# KiCad board Mainboard Small.kicad_pcb (continued)
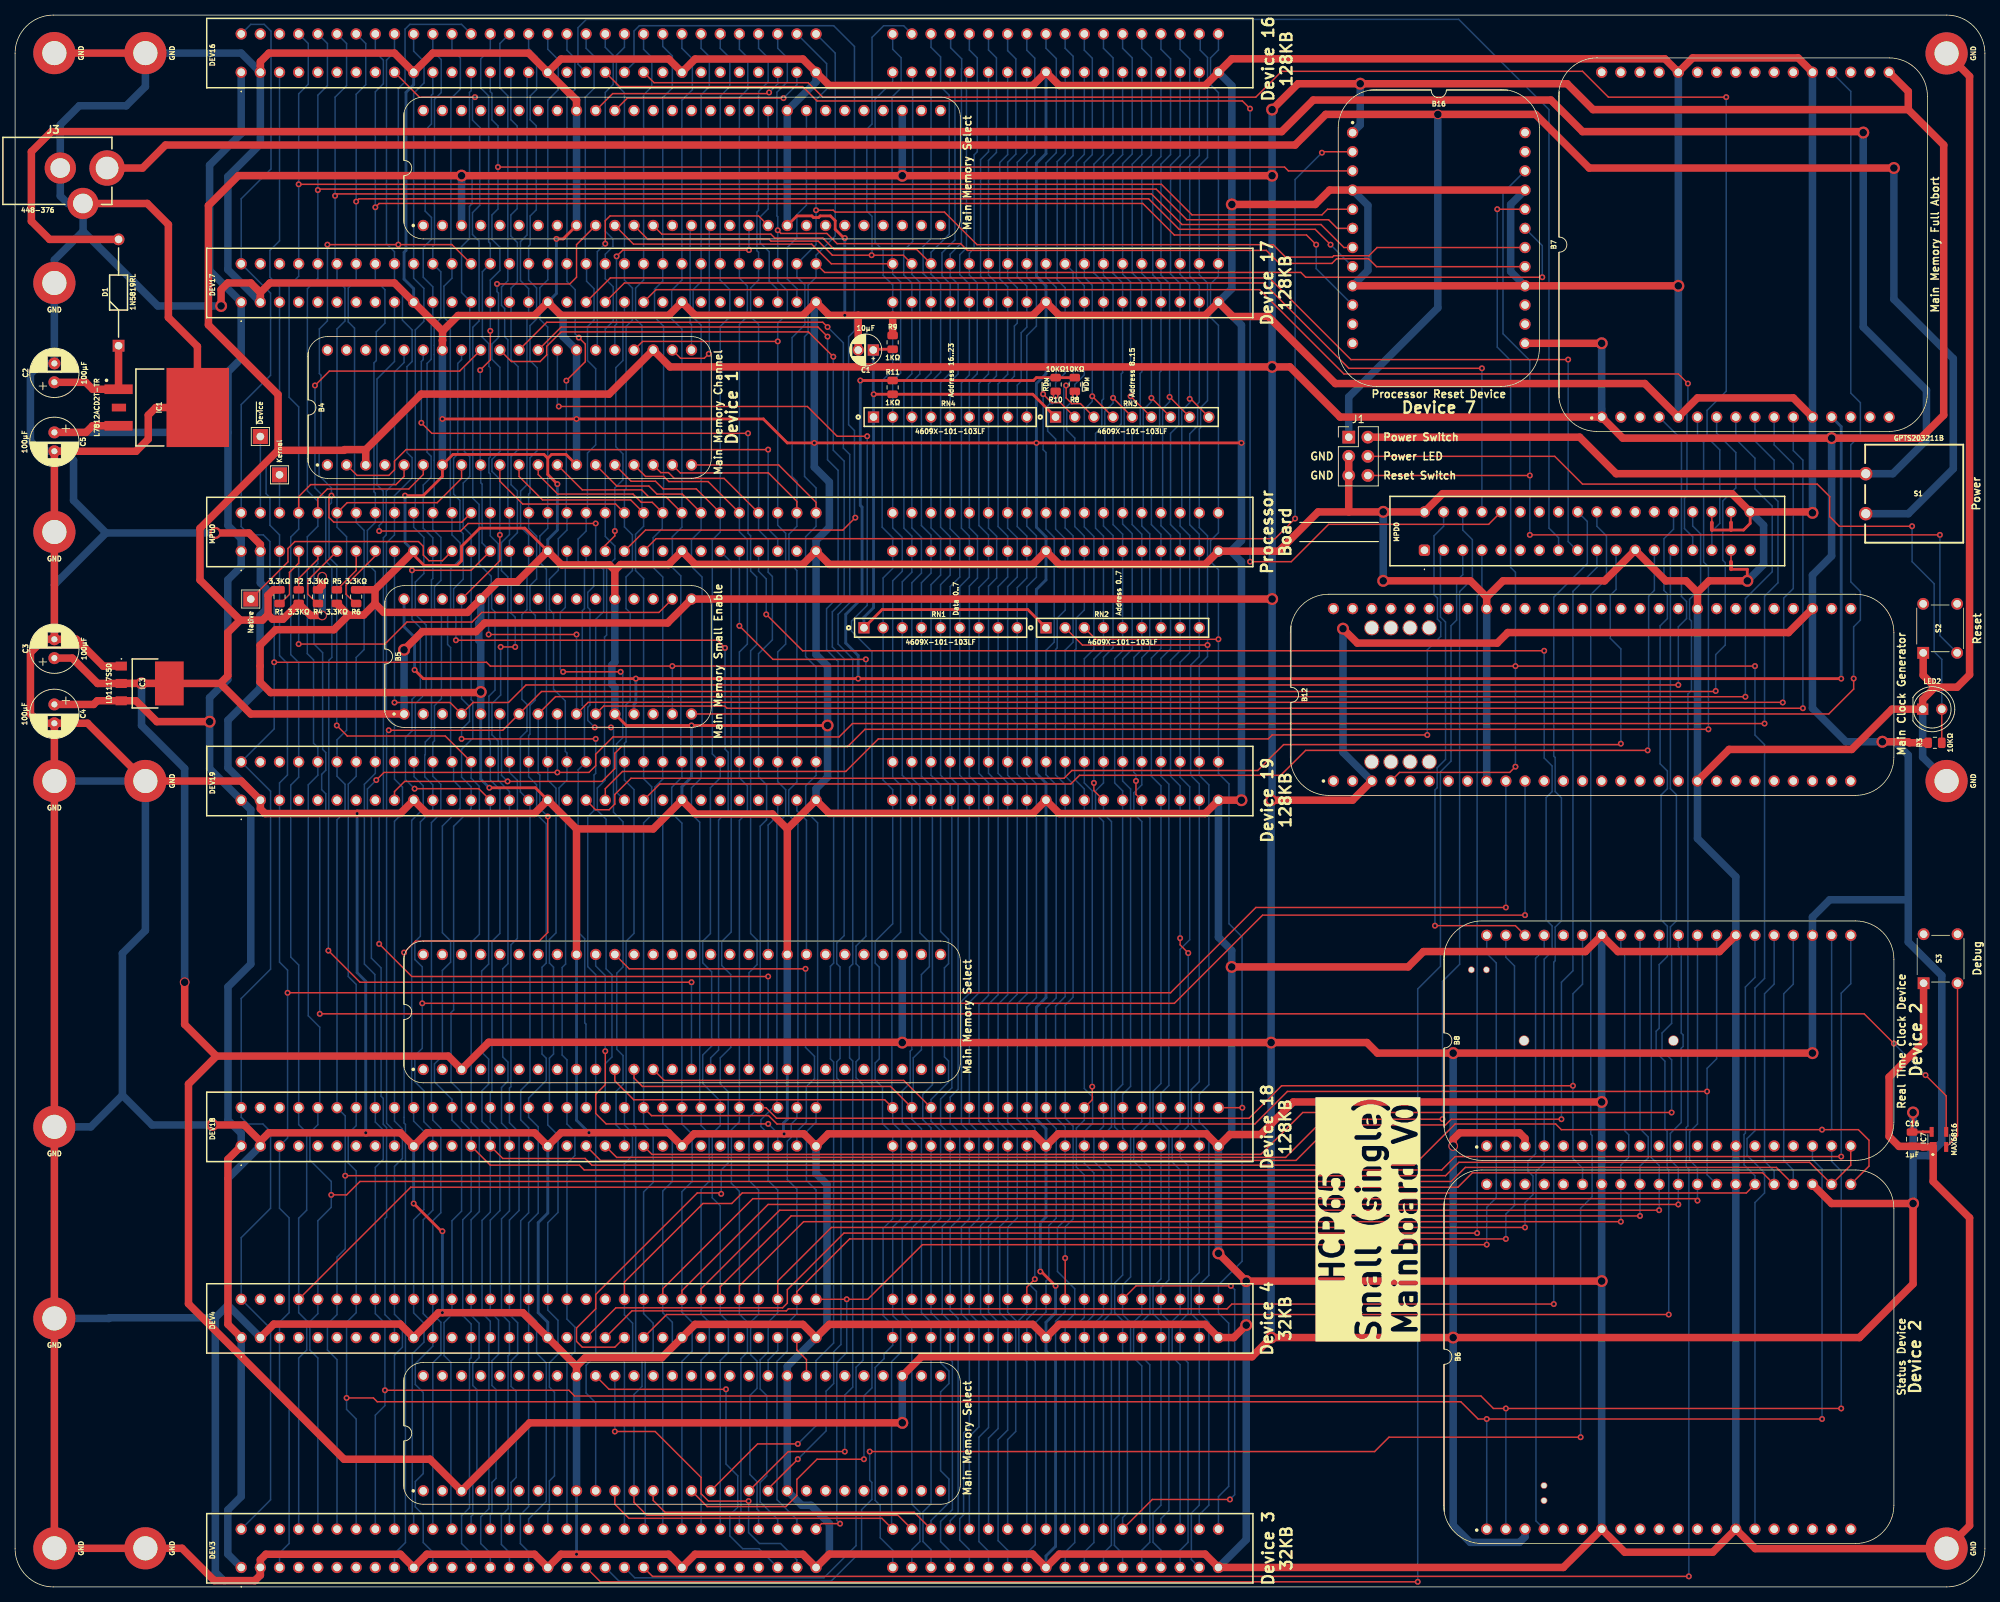
[diagram p0: board, top side]
## Routing (per net, layer and track width the routed paths; a pad name or vN(x,y) marks a point on that pad's centre or on a via; arc(x,y) is an arc through that point) (continued)
/~{Select} DEV7: length 142.3
  Top w0.2: v3(169.67,141.65) 167,138.99 84.96,138.99 MPU0.B22 ; v3(173.23,190.17) 173.35,190.3 B16.2
  Bottom w0.2: v3(173.23,190.17) 169.67,186.61 v3(169.67,141.65)
/~{Select} DEV16: length 132.3
  Top w0.2: v3(111.38,141.78) 109.73,140.13 83.57,140.13 MPU0.B21
  Bottom w0.2: DEV16.B21 82.04,202.11 82.04,206.3 82.75,207.01 108.51,207.01 111.26,204.25 111.26,166.55 110.49,165.77 110.49,154.1 111.26,153.33 111.26,141.9 v3(111.38,141.78)
/~{Select} DEV17: length 34.9
  Top w0.2: v3(79.5,140) 79.5,139.37 78.23,138.1 MPU0.B20
  Bottom w0.2: DEV17.B21 80.77,168.4 80.57,168.2 80.57,162.61 79.63,161.67 79.63,151.18 80.57,150.24 80.57,146.79 79.5,145.72 v3(79.5,140)
/~{Select} DEV18: length 84.6
  Top w0.2: v3(78.99,113.97) v3(76.83,113.97)
  Bottom w0.2: DEV18.B21 80.77,60.15 79.66,61.25 79.66,65.7 80.59,66.62 80.59,70.45 79.76,71.29 79.76,81.38 80.59,82.21 80.59,101.45 79.32,102.72 79.32,113.64 v3(78.99,113.97) ; MPU0.B19 75.69,135.94 76.71,134.92 76.71,132.67 75.91,131.88 75.91,129.88 76.2,129.59 76.2,116.92 75.91,116.64 75.91,114.89 v3(76.83,113.97)
/~{Select} DEV19: length 42.1
  Top w0.2: v3(80.26,121.33) v3(72.64,121.33)
  Bottom w0.2: v3(72.64,121.33) 72.26,121.72 72.26,129.21 72.93,129.88 72.93,135.21 73.15,135.43 MPU0.B18 ; DEV19.B21 79.72,105.37 79.72,111.78 80.55,112.61 80.55,121.05 v3(80.26,121.33)
Net-(IC7-IN): length 22.3
  Top w0.2: S3.3 257.48,59.84 IC7.2

## Text on the board
F.Silkscreen: ~{Device} | Kernal | Address 16..23 | Data 0..7 | Address 0..7 | Address 8..15 | ~{RD}_{M} | ~{WD}_{M} | Native | Power Switch | Power LED | Reset Switch | GND | Power | Reset | Debug | Device 7 | Device 17 / 128KB | Processor / Board | Device 18 / 128KB | Device 4 / 32KB | Device 19 / 128KB | Device 16 / 128KB | Device 3 / 32KB | Device 1 | Device 2 | HCP65 / Small (single) / Mainboard V0
